# Altium PCB TTL Clock.PcbDoc (part 1 of 2)
Units mm, origin at the board's own origin, x right, y up, seen from the top; angles counter-clockwise.
Board outline 121.67 x 90.17 mm, 2 copper layers (Top Layer, Bottom Layer), stack 1.571 mm thick; 141 components, 151 nets, 625 pads, 107 vias.
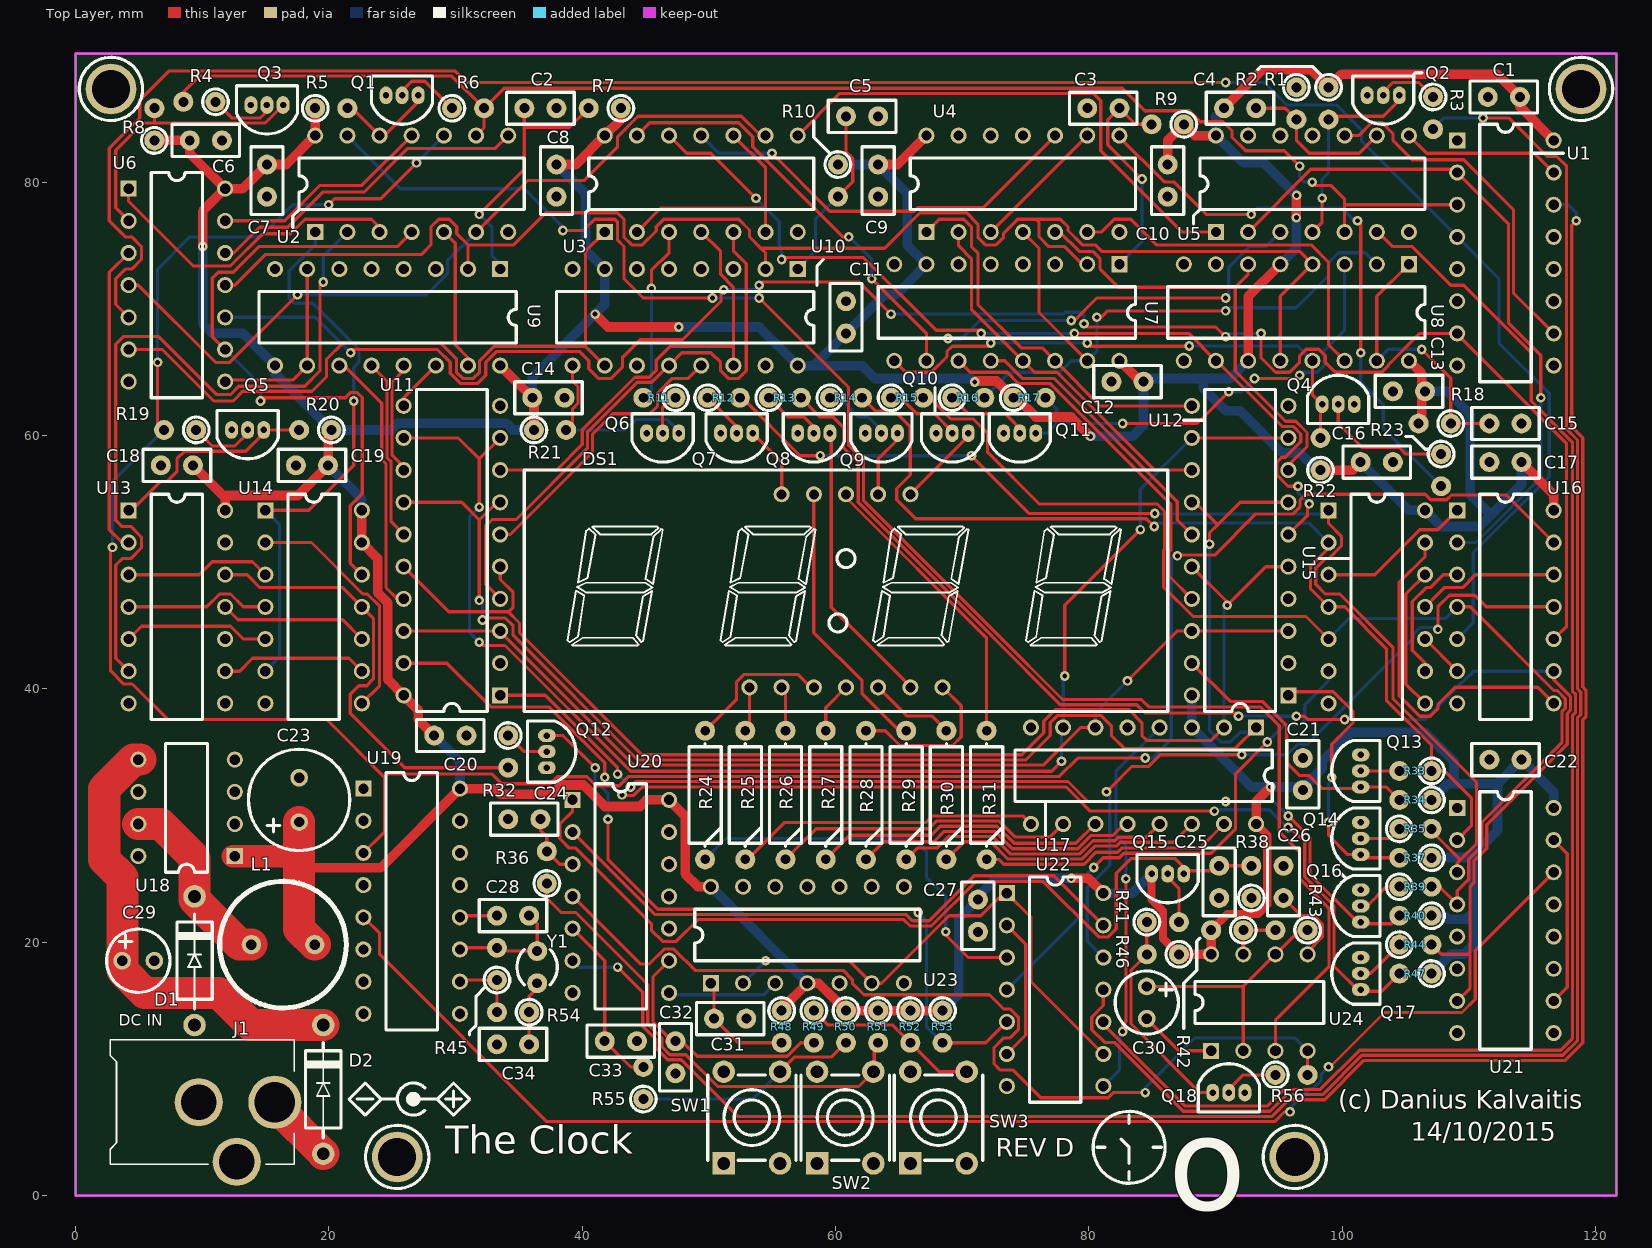
[diagram p0: Top Layer view]
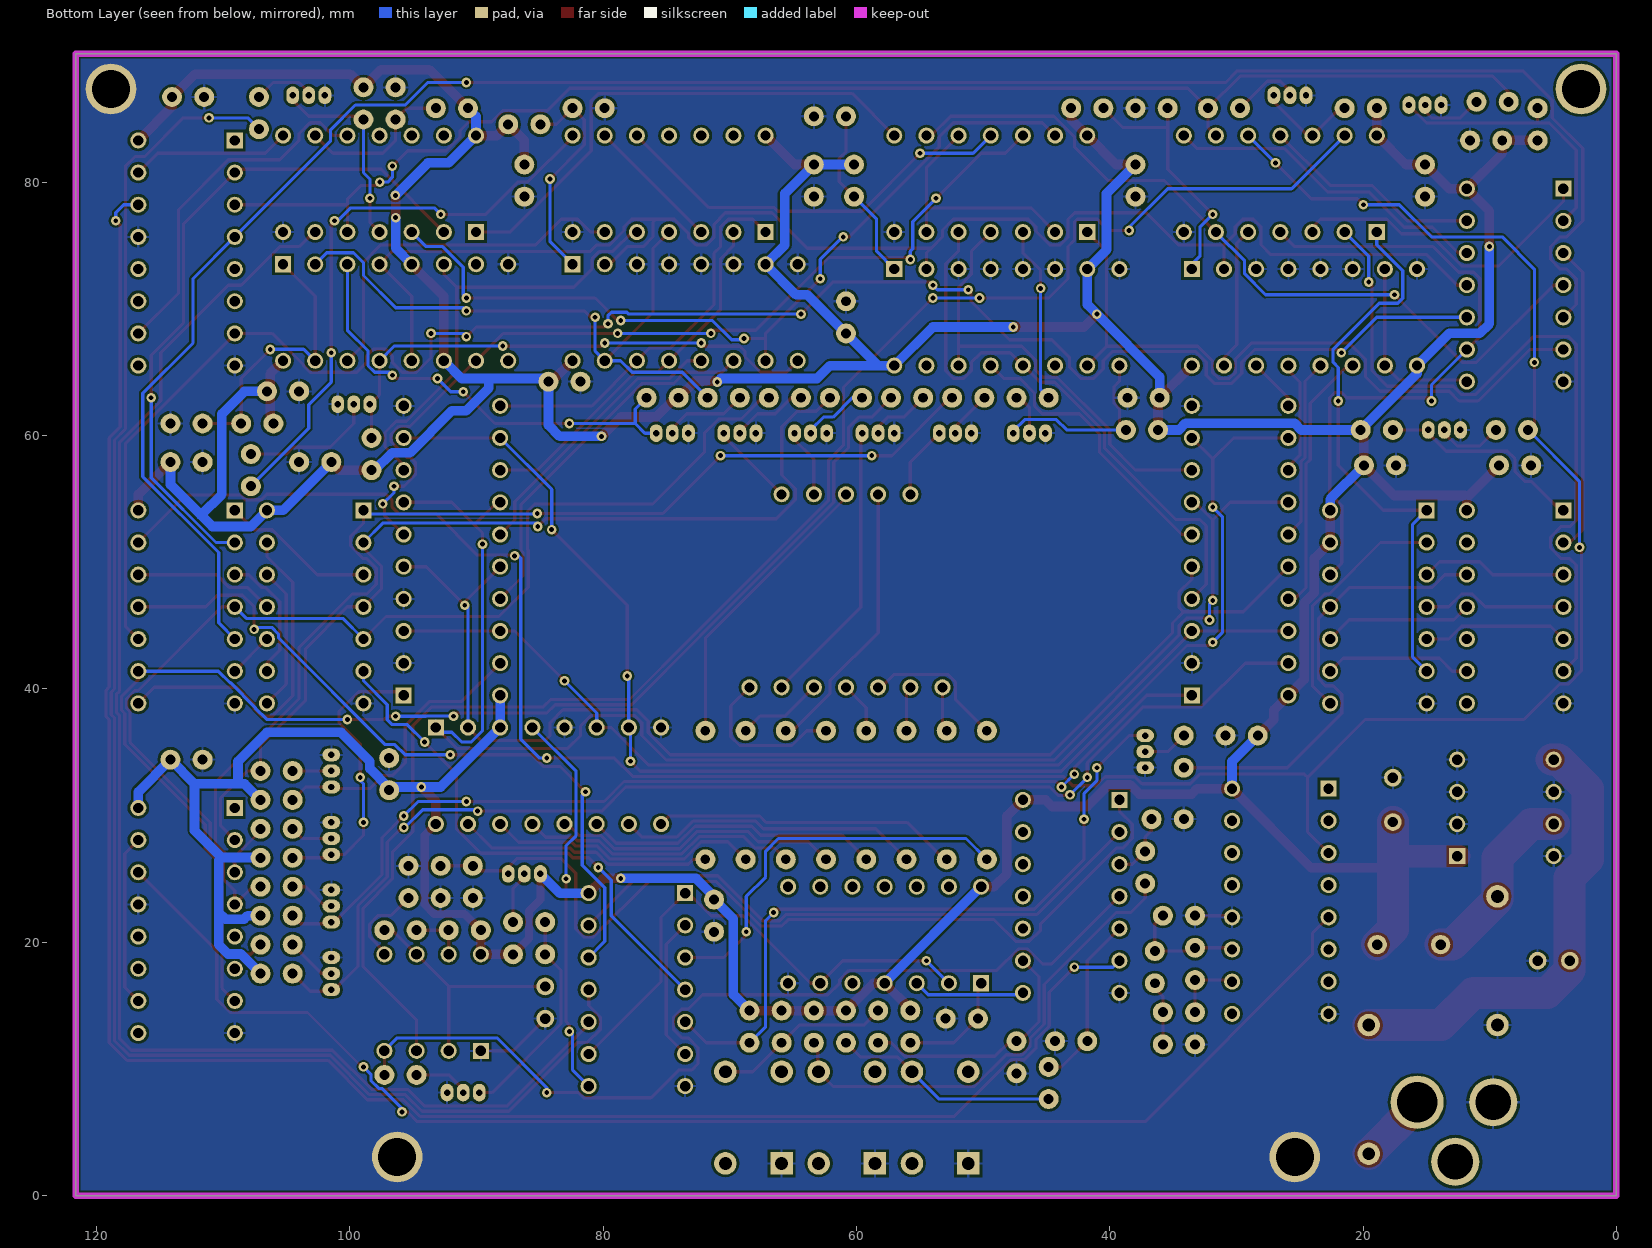
[diagram p1: Bottom Layer view, seen from below]
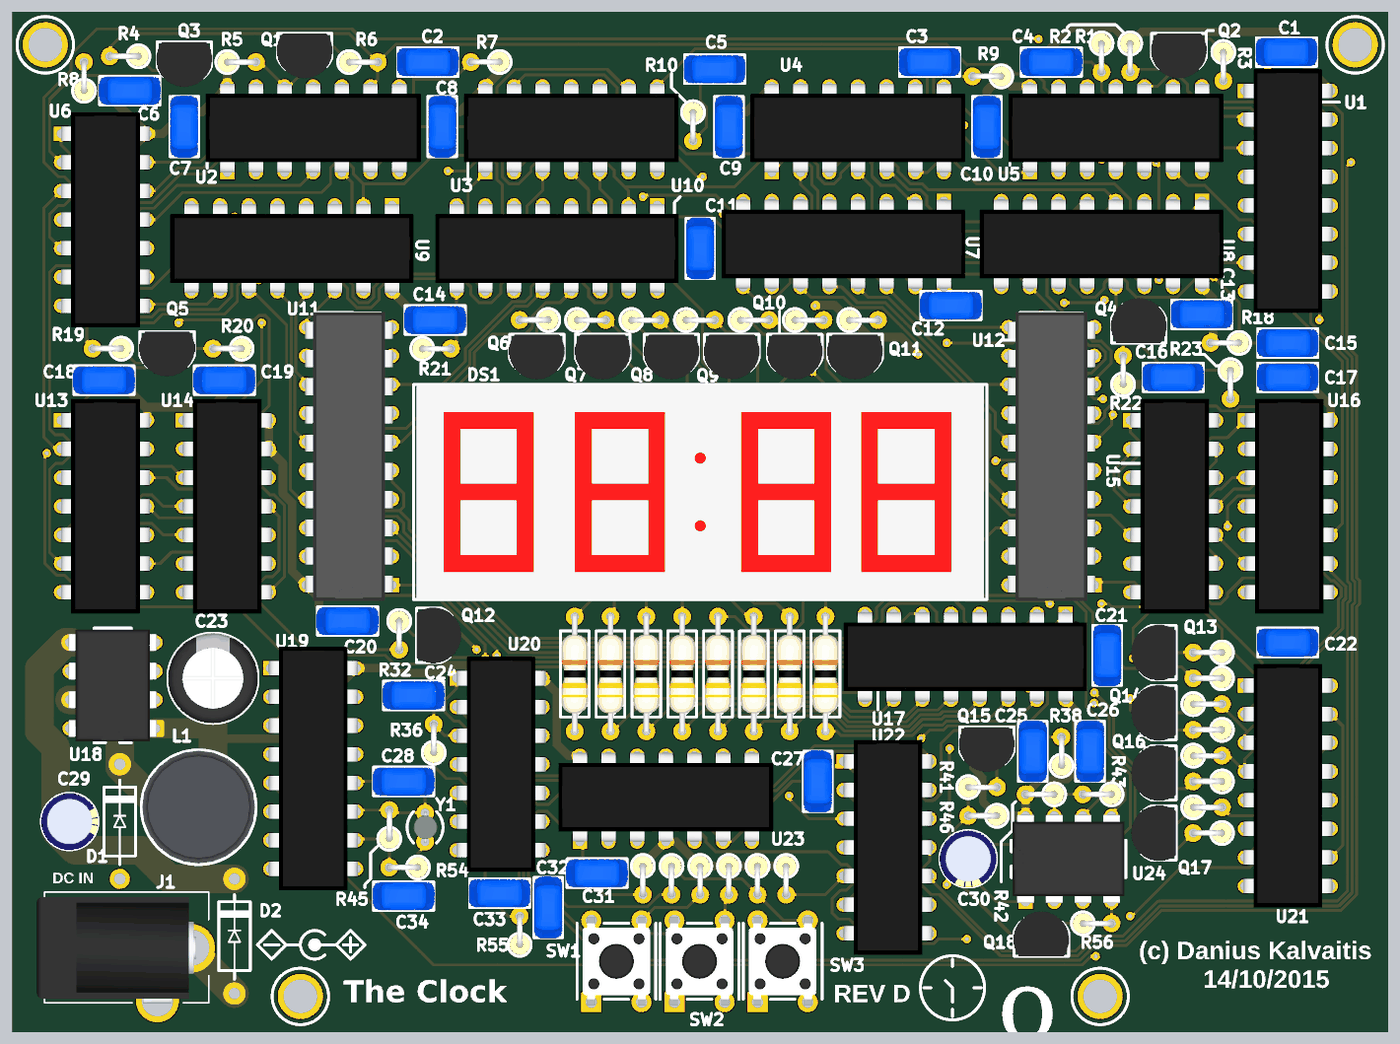
[diagram p3: 3D render of the assembled board from above, using the file's embedded part models]

## Layer stack, top to bottom
Top Solder: solder mask 0.0102, Solder Resist, Dk 3.5
Top Layer: signal copper 0.0356
Dielectric1: dielectric 1.5, FR-4, Dk 4.8
Bottom Layer: signal copper 0.0356
Bottom Solder: solder mask 0.0102, Solder Resist, Dk 3.5

## Board outline
0,0 0,90.17 121.666,90.17 121.666,0

## Design rules (kind name [scope] priority, off if disabled: settings)
AssemblyTestPointUsage SilkToBoardRegionClearance [All] p2:
Clearance [All] p1: gap=0.152 ignorepadtopadclearanceinfootprint=FALSE except(0: Arc-Hole Track-Hole SMDPad-Hole THPad-Hole Via-Hole Fill-Hole Poly-Hole Region-Hole Text-Hole; 0.203: THPad-Fill THPad-Poly THPad-Region)
DiffPairsRouting [All] p1: maxlimit=0.254 minlimit=0.254 mostfreqgap=0.254 toplayer_minwidth=0.381 toplayer_maxwidth=0.381 toplayer_prefwidth=0.381 bottomlayer_minwidth=0.381 bottomlayer_maxwidth=0.381 bottomlayer_prefwidth=0.381 substack1={A057DCD1-A22B-44F0-9C5E-3CFCB3860F28} toplayer_{a057dcd1-a22b-44f0-9c5e-3cfcb3860f28}_minwidth=0.381 toplayer_{a057dcd1-a22b-44f0-9c5e-3cfcb3860f28}_maxwidth=0.381 toplayer_{a057dcd1-a22b-44f0-9c5e-3cfcb3860f28}_prefwidth=0.381 bottomlayer_{a057dcd1-a22b-44f0-9c5e-3cfcb3860f28}_minwidth=0.381 bottomlayer_{a057dcd1-a22b-44f0-9c5e-3cfcb3860f28}_maxwidth=0.381 bottomlayer_{a057dcd1-a22b-44f0-9c5e-3cfcb3860f28}_prefwidth=0.381 substack2={944E8D40-0B25-47FF-83F4-800DFC4EC648} toplayer_{944e8d40-0b25-47ff-83f4-800dfc4ec648}_minwidth=0.381 toplayer_{944e8d40-0b25-47ff-83f4-800dfc4ec648}_maxwidth=0.381 toplayer_{944e8d40-0b25-47ff-83f4-800dfc4ec648}_prefwidth=0.381 bottomlayer_{944e8d40-0b25-47ff-83f4-800dfc4ec648}_minwidth=0.381 bottomlayer_{944e8d40-0b25-47ff-83f4-800dfc4ec648}_maxwidth=0.381 bottomlayer_{944e8d40-0b25-47ff-83f4-800dfc4ec648}_prefwidth=0.381 substack3={8E056E46-127C-48DA-887C-8D3846569A17} toplayer_{8e056e46-127c-48da-887c-8d3846569a17}_minwidth=0.381 toplayer_{8e056e46-127c-48da-887c-8d3846569a17}_maxwidth=0.381 toplayer_{8e056e46-127c-48da-887c-8d3846569a17}_prefwidth=0.381 bottomlayer_{8e056e46-127c-48da-887c-8d3846569a17}_minwidth=0.381 bottomlayer_{8e056e46-127c-48da-887c-8d3846569a17}_maxwidth=0.381 bottomlayer_{8e056e46-127c-48da-887c-8d3846569a17}_prefwidth=0.381 maxuncoupledlength=12.7
FabricationTestPointUsage TestPointUsage [All] p1: valid=0 allowmultiple=FALSE
FabricationTestPointUsage [All] p2: valid=0 allowmultiple=FALSE
FabricationTestpoint Testpoint [All] p1: side=3 testpointundercomponent=TRUE minsize=1.016 maxsize=2.54 preferedsize=1.524 minholesize=0 maxholesize=1.016 preferedholesize=0.813 testpointgrid=0.025 allowsidetop=TRUE allowsidebottom=TRUE usegrid=TRUE gridtolerance=0
FabricationTestpoint [All] p2: side=3 testpointundercomponent=TRUE minsize=1.016 maxsize=2.54 preferedsize=1.524 minholesize=0 maxholesize=1.016 preferedholesize=0.813 testpointgrid=0.025 allowsidetop=TRUE allowsidebottom=TRUE usegrid=TRUE gridtolerance=0
HoleSize [All] p1: absolutevalues=TRUE maxlimit=5.08 minlimit=0.305 maxpercent=80.000 minpercent=20.000
MatchedLengths DiffPair_DIFF100MatchedLengths [InDifferentialPairClass('DIFF100')] p1: tolerance=0.152 checknetsindiffpair=TRUE checkdiffpairvsdiffpair=FALSE checkxsignals=FALSE checkothers=FALSE
MinimumAnnularRing [All] p1: minimumring=0.178
MinimumSolderMaskSliver SilkscreenOverComponentPads_1 [All] p2: minsoldermaskwidth=0.254
MinimumSolderMaskSliver SilkToSolderMaskClearance [IsPad] p3: minsoldermaskwidth=0.254
MinimumSolderMaskSliver SilkscreenOverComponentPads [All] p4: minsoldermaskwidth=0.254
PolygonConnect [All] p1: connectstyle=Relief reliefconductorwidth=0.203 reliefentries=4 polygonreliefangle="90 Angle" airgapwidth=0.203
RoomDefinition "TTL Clock" [InComponentClass('TTL Clock')] p1: confinementstyle=ConfineOut formatcopy=TRUE lockcomponents=FALSE outline 38.862,-33.02 89.662,-33.02 89.662,-7.62 38.862,-7.62
RoutingVias [All] p1: holewidth=0.305 width=0.635 viastyle="Through Hole" minholewidth=0.305 minwidth=0.635 maxholewidth=0.711 maxwidth=1.27
SilkToBoardRegionClearance SilkToBoardRegionClearance_2 [All] p1:
SilkToBoardRegionClearance SilkToBoardRegionClearance_1 [All] p2:
SilkToSolderMaskClearance SilkscreenOverComponentPads_2 [IsPad] p1: minsilkscreentomaskgap=0.254 clearancetoexposedcopper=TRUE
SilkToSolderMaskClearance SilkToSolderMaskClearance_1 [IsPad] p2: minsilkscreentomaskgap=0.254 clearancetoexposedcopper=TRUE
SolderMaskExpansion [All] p1: expansion=0.102 istentingtop=FALSE
Width [All] p1: maxlimit=2.54 minlimit=0.152 preferedwidth=0.254 substack1={A057DCD1-A22B-44F0-9C5E-3CFCB3860F28} substack2={944E8D40-0B25-47FF-83F4-800DFC4EC648} substack3={8E056E46-127C-48DA-887C-8D3846569A17}
24 further rules are at their usual default settings.

## Components (designator, comment, footprint, x,y, rotation, side; value= is the part's Value field where it differs from the comment)
C1 "100nF" "CTH radial 100mil" 111.506,86.741 r0 top
C2 "100nF" "CTH radial 100mil" 37.973,85.852 r180 top
C3 "100nF" "CTH radial 100mil" 79.883,85.852 r0 top
C4 "100nF" "CTH radial 100mil" 90.678,85.852 r0 top
C5 "100nF" "CTH radial 100mil" 63.373,85.217 r180 top
C6 "100nF" "CTH radial 100mil" 11.557,83.312 r180 top
C7 "100nF" "CTH radial 100mil" 15.113,78.867 r90 top
C8 "100nF" "CTH radial 100mil" 37.973,78.867 r90 top
C9 "100nF" "CTH radial 100mil" 63.373,78.867 r90 top
C10 "100nF" "CTH radial 100mil" 86.233,78.867 r90 top
C11 "100nF" "CTH radial 100mil" 60.833,70.612 r270 top
C12 "100nF" "CTH radial 100mil" 81.788,64.262 r0 top
C13 "100nF" "CTH radial 100mil" 104.013,63.5 r0 top
C14 "100nF" "CTH radial 100mil" 38.608,62.992 r180 top
C15 "100nF" "CTH radial 100mil" 111.633,60.96 r0 top
C16 "100nF" "CTH radial 100mil" 104.013,57.912 r180 top
C17 "100nF" "CTH radial 100mil" 111.633,57.912 r0 top
C18 "100nF" "CTH radial 100mil" 6.731,57.658 r0 top
C19 "100nF" "CTH radial 100mil" 17.399,57.658 r0 top
C20 "100nF" "CTH radial 100mil" 30.861,36.322 r180 top
C21 "100nF" "CTH radial 100mil" 96.901,34.544 r270 top
C22 "100nF" "CTH radial 100mil" 111.633,34.417 r0 top
C23 "220uF" C_POL_Radial_220uF 17.653,31.242 r90 top
C24 "100nF" "CTH radial 100mil" 34.163,29.718 r0 top
C25 "100nF" "CTH radial 100mil" 90.297,26.035 r270 top
C26 "100nF" "CTH radial 100mil" 95.377,23.495 r90 top
C27 "100nF" "CTH radial 100mil" 71.247,20.828 r90 top
C28 "33pF" "CTH radial 100mil" 35.814,22.098 r180 top
C29 "22uF" C_Pol_Radial_22uF 4.953,18.542 r0 top
C30 "22uF" C_Pol_Radial_22uF 84.582,15.24 r270 top
C31 "100nF" "CTH radial 100mil" 52.959,13.97 r180 top
C32 "100nF" "CTH radial 100mil" 47.371,9.652 r90 top
C33 "100nF" "CTH radial 100mil" 44.323,12.192 r180 top
C34 "10pF" "CTH radial 100mil" 35.814,11.938 r180 top
D1 "1N5819" 1N500X 9.398,13.462 r90 top
D2 "1N5819" 1N500X 19.558,3.302 r90 top
DS1 "HDSP-B03E" "LED DISPLAY 4x7seg clock red" 60.833,47.752 r0 top locked
J1 "CONN_PWR_JACK_2.1x5.5mm" CONN_PWR_JACK_2.1x5.5mm 2.032,7.366 r90 top
L1 "330uH" "ELC10D inductor" 16.383,19.812 r0 top
Q1 "BC547" TO92 25.781,86.868 r180 top
Q2 "BC547" TO92 103.251,86.868 r180 top
Q3 "BC547" TO92 15.113,86.106 r180 top
Q4 "BC547" TO92 99.695,62.484 r0 top
Q5 "BC547" TO92 13.589,60.452 r180 top
Q6 "BC547" TO92 46.355,60.198 r180 top
Q7 "BC547" TO92 52.197,60.198 r180 top
Q8 "BC547" TO92 58.293,60.198 r180 top
Q9 "BC547" TO92 63.627,60.198 r180 top
Q10 "BC547" TO92 69.215,60.198 r180 top
Q11 "BC547" TO92 74.549,60.198 r180 top
Q12 "BC547" TO92 37.211,35.052 r270 top
Q13 "BC547" TO92 101.473,33.528 r90 top
Q14 "BC547" TO92 101.473,28.194 r90 top
Q15 "BC557" TO92 86.233,25.4 r180 top
Q16 "BC547" TO92 101.473,22.86 r90 top
Q17 "BC547" TO92 101.473,17.526 r90 top
Q18 "BC547" TO92 91.059,8.128 r0 top
R1 "15k" R-vertical 96.393,87.503 r0 top
R2 "10k" R-vertical 98.933,87.503 r0 top
R3 "10k" R-vertical 107.188,86.741 r0 top
R4 "10k" R-vertical 11.049,86.36 r270 top
R5 "10k" R-vertical 18.923,85.852 r90 top
R6 "10k" R-vertical 29.718,85.852 r90 top
R7 "15k" R-vertical 43.053,85.852 r270 top
R8 "10k" R-vertical 6.223,83.312 r180 top
R9 "15k" R-vertical 87.503,84.582 r270 top
R10 "15k" R-vertical 60.198,81.407 r0 top
R11 "10k" R-vertical 47.371,62.992 r270 top
R12 "1k" R-vertical 49.911,62.992 r90 top
R13 "1k" R-vertical 54.737,62.992 r90 top
R14 "1k" R-vertical 59.563,62.992 r90 top
R15 "1k" R-vertical 64.389,62.992 r90 top
R16 "10k" R-vertical 69.215,62.992 r90 top
R17 "10k" R-vertical 74.041,62.992 r90 top
R18 "15k" R-vertical 108.585,60.96 r270 top
R19 "10k" R-vertical 9.525,60.452 r270 top
R20 "10k" R-vertical 20.193,60.452 r270 top
R21 "10k" R-vertical 36.195,60.452 r90 top
R22 "10k" R-vertical 98.298,57.277 r180 top
R23 "10k" R-vertical 107.823,58.547 r0 top
R24 "220R" THR1/4-GENERIC 49.708,26.543 r180 top
R25 "220R" THR1/4-GENERIC 52.883,26.543 r180 top
R26 "220R" THR1/4-GENERIC 56.058,26.543 r180 top
R27 "220R" THR1/4-GENERIC 59.233,26.543 r180 top
R28 "220R" THR1/4-GENERIC 62.408,26.543 r180 top
R29 "220R" THR1/4-GENERIC 65.583,26.543 r180 top
R30 "220R" THR1/4-GENERIC 68.758,26.543 r180 top
R31 "220R" THR1/4-GENERIC 71.933,26.543 r180 top
R32 "10k" R-vertical 34.163,36.322 r0 top
R33 "10k" R-vertical 107.061,33.528 r270 top
R34 "10k" R-vertical 107.061,31.242 r270 top
R35 "10k" R-vertical 104.521,28.956 r90 top
R36 "15k" R-vertical 37.211,24.638 r180 top
R37 "10k" R-vertical 107.061,26.67 r270 top
R38 "6.8M" R-vertical 92.837,23.495 r180 top
R39 "10k" R-vertical 104.521,24.384 r90 top
R40 "10k" R-vertical 107.061,22.098 r270 top
R41 "10k" R-vertical 84.582,21.59 r90 top
R42 "4.7k" R-vertical 92.202,20.955 r270 top
R43 "4.7k" R-vertical 97.282,20.955 r270 top
R44 "10k" R-vertical 104.521,19.812 r90 top
R45 "10M" R-vertical 33.274,17.018 r180 top
R46 "10k" R-vertical 87.122,19.05 r270 top
R47 "10k" R-vertical 107.061,17.526 r270 top
R48 "15k" R-vertical 55.753,14.605 r0 top
R49 "15k" R-vertical 58.293,14.605 r0 top
R50 "10k" R-vertical 60.833,14.605 r0 top
R51 "10k" R-vertical 63.373,14.605 r0 top
R52 "10k" R-vertical 65.913,14.605 r0 top
R53 "10k" R-vertical 68.453,14.605 r0 top
R54 "560k" R-vertical 35.814,14.478 r270 top
R55 "15k" R-vertical 44.831,7.62 r180 top
R56 "10k" R-vertical 94.742,9.525 r90 top
SW1 "SW-PB" SW-PB-6x6-20 53.404,6.159 r90 top
SW2 "SW-PB" SW-PB-6x6-20 60.77,6.159 r90 top
SW3 "SW-PB" SW-PB-6x6-20 68.135,6.159 r90 top
U1 "74HC4017" DIP16 109.093,83.312 r0 top
U2 "74HC08" DIP14 18.923,76.073 r90 top
U3 "74HC08" DIP14 41.783,76.073 r90 top
U4 "74HC08" DIP14 67.183,76.073 r90 top
U5 "74HC32" DIP14 90.043,76.073 r90 top
U6 "74HC32" DIP14 4.191,79.502 r0 top
U7 "74HC160" DIP16 82.423,73.533 r270 top
U8 "74HC109" DIP16 105.283,73.533 r270 top
U9 "74HC160" DIP16 33.528,73.152 r270 top
U10 "74HC160" DIP16 57.023,73.152 r270 top
U11 "74HC244" DIP20 33.528,39.497 r180 top
U12 "74HC244" DIP20 95.758,39.497 r180 top
U13 "74HC4024" DIP14 4.191,54.102 r0 top
U14 "74HC11" DIP14 14.986,54.102 r0 top
U15 "74HC32" DIP14 98.933,54.102 r0 top
U16 "74HC08" DIP14 109.093,54.102 r0 top
U17 "74HC4511" DIP16 93.218,36.957 r270 top
U18 "LM2574" DIP8 12.573,26.797 r180 top
U19 "74HC4060" DIP16 22.733,32.131 r0 top
U20 "74HC14" DIP14 39.243,31.242 r0 top
U21 "74HC4017" DIP16 109.093,30.607 r0 top
U22 "74HC08" DIP14 73.533,23.876 r0 top
U23 "74HC74" DIP14 50.165,16.764 r90 top
U24 "NE555" DIP8 89.662,11.43 r90 top
Y1 "32.768kHz" "XTAL through hole" 36.449,16.764 r90 top
